# Altium PCB PCB3.PcbDoc (part 7 of 8)
Units mil, origin at the board's own origin, x right, y up, seen from the top; angles counter-clockwise.
Board outline 4763.78 x 6574.87 mil, 6 copper layers (Top Layer, GND, ADDR, DATA, VCC, Bottom Layer), stack 77.691 mil thick; 402 components, 418 nets, 1809 pads, 1202 vias.
Unrouted connection lines stored in the file: 117.
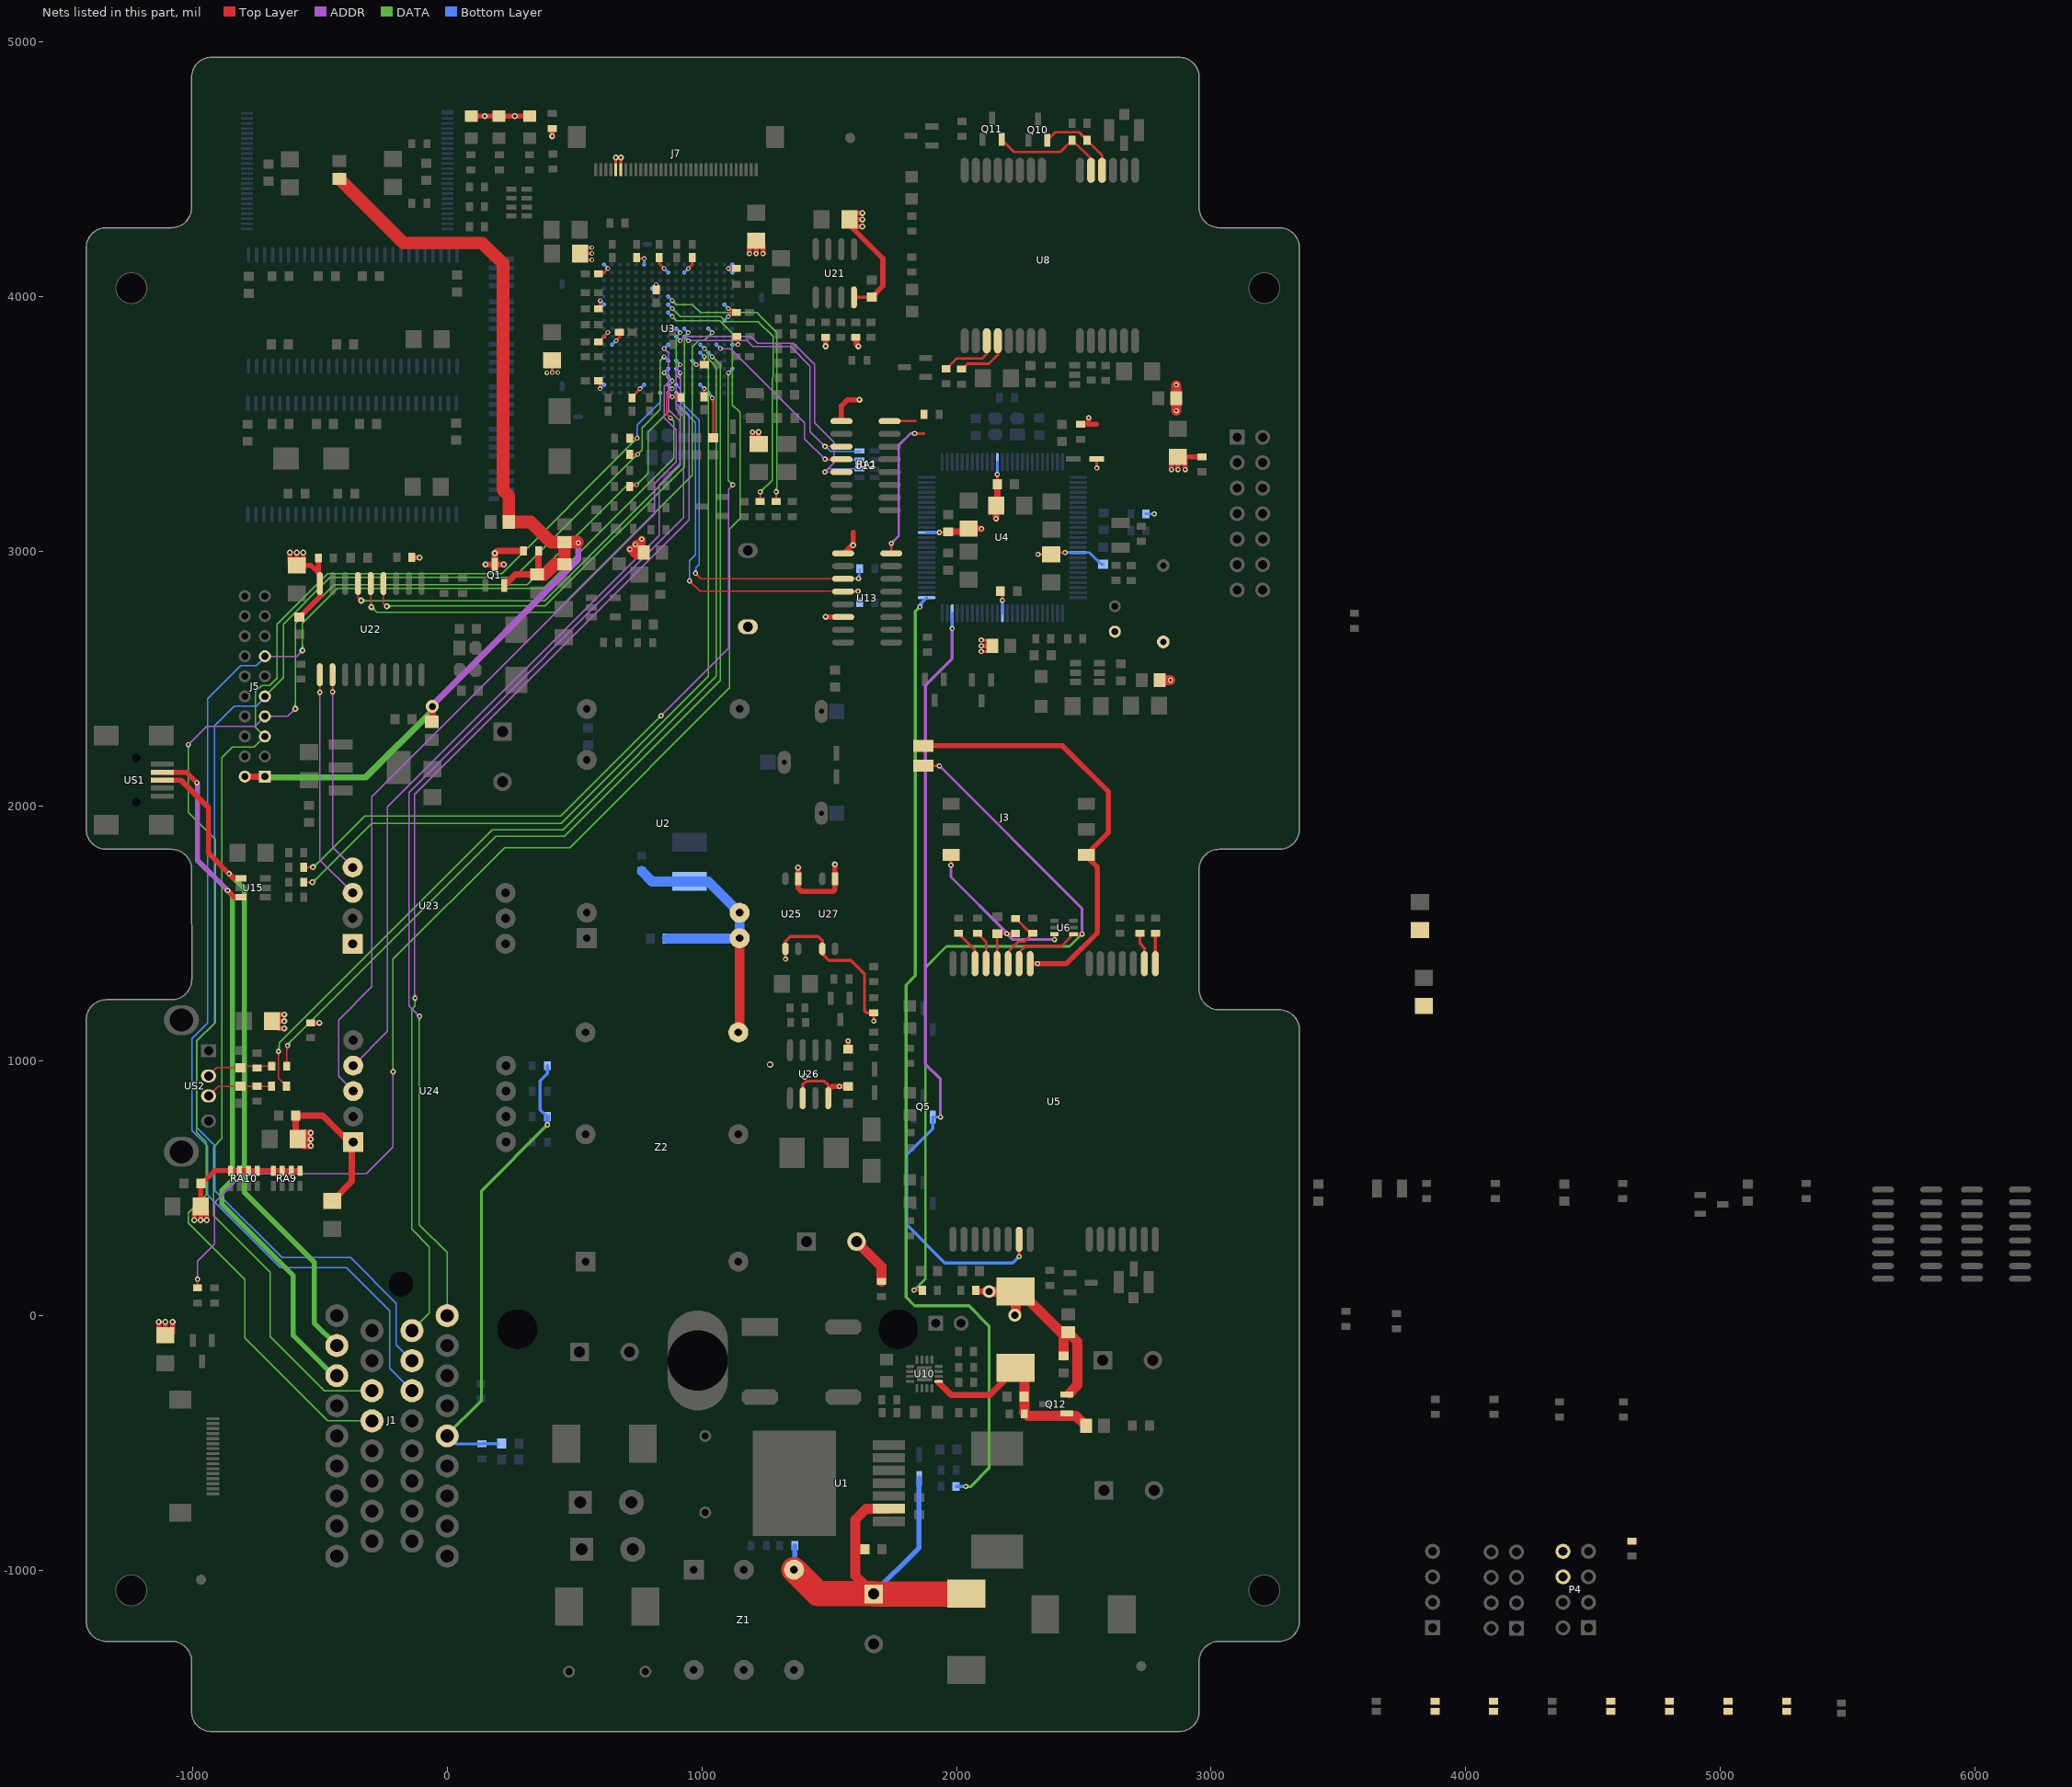
[diagram p11: the nets of this part, all layers, seen from the top]

## Via types
v1: diameter 18, hole 10, Top Layer to Bottom Layer, tented both sides, 404 vias
v2: diameter 20, hole 10, Top Layer to Bottom Layer, tented both sides, 379 vias
v3: diameter 25, hole 15, Top Layer to Bottom Layer, tented both sides, 363 vias
v4: diameter 23.62, hole 11.81, Top Layer to Bottom Layer, tented both sides, 51 vias
v5: diameter 50, hole 28, Top Layer to Bottom Layer, tented both sides, 4 vias
v6: diameter 30, hole 15, Top Layer to Bottom Layer, tented both sides, 1 vias

## Nets (pads, with @x,y where several pads share a name; then routed paths per layer and width w, separated by ;. In a path a pad name is that pad's centre, name@x,y a point inside that pad or via, vN(x,y) a via of type N, cw(c..) or ccw(c..) an arc to the next point about the centre after c; other vN are vias at no path point) (continued)
RS_P: C89.1 J1.30 R99.1 R101.1 R102.1 | length 1851.1
  DATA w12: J1.30@-4.92,-473.43 134.84,-333.66 134.84,490.16 v2(393.7,749.02)
  Bottom Layer w12: J1.30@1.97,-471.46 34.45,-503.94 137.8,-503.94 138.78,-502.95 196.85,-502.95 ; R102.1@391.73,781.5 365.16,808.07 365.16,921.26 393.7,949.8 R99.1@393.7,981.3
  Bottom Layer w20: v2(393.7,749.02) R102.1@393.7,781.17
RXCAN: U22.2 U23.4 | length 846.2
  Top Layer w5: v2@-455.53,2454.69 ccw(c-468.33,2467.49) -450.22,2467.49 ccw(c-432.12,2467.49) v2@-444.92,2454.69 ; v2(-450.22,2449.38) U22.2@-450.22,2516.18
  ADDR w5: v2@-455.53,2444.08 cw(c-468.33,2431.28) -450.22,2431.28 cw(c-432.12,2431.28) v2@-444.92,2444.08 ; v2(-450.22,2449.38) -450.22,1839.02 U23.4@-370.89,1759.69
RXD0: J1.25 U3.K14 | length 4425.1
  ADDR w5: v2@-130.98,1252.05 ccw(c-138.3,1259.37) -127.95,1259.37 ; v2@-127.95,1249.02 -127.95,2046.72 949.78,3124.45 949.78,3535.87 915.33,3570.32 v1(915.33,3702.21) ; -127.95,1258.26 ccw(c-114.16,1258.26) v2@-123.91,1248.51 ; -127.95,1270.33 ccw(c-102.09,1270.33) v2@-120.38,1252.05 ; v1@910.73,3697.61 cw(c899.64,3686.51) 915.33,3686.51 cw(c931.02,3686.51) v1@919.93,3697.61
  DATA w5: J1.25@-137.8,-59.06 -69.88,8.86 -69.88,269.91 -139.76,339.79 -139.76,1201.77 -125.68,1215.85 v2(-125.68,1246.74) v2@-127.95,1249.02 ; v2@-130.98,1241.44 cw(c-143.79,1228.64) -125.68,1228.64 cw(c-107.57,1228.64) v2@-120.38,1241.44
  Bottom Layer w5: U3.K14@899.58,3717.95 v1(915.33,3702.21) ; v1@908.83,3702.21 ccw(c893.14,3702.21) 904.23,3713.3 ccw(c915.33,3724.4) v1@915.33,3708.71
RXD1: R25.2 U3.K17 U13.4 | length 1619.4
  Top Layer w5: v2@951.77,2877.34 cw(c951.77,2859.24) 964.57,2872.04 cw(c977.38,2884.84) v2@959.27,2884.84 ; v2(951.77,2884.84) 992.72,2843.9 1555.12,2843.9 v2(1613.58,2843.9) ; v2@1608.28,2838.59 ccw(c1595.48,2825.79) 1595.48,2843.9 ccw(c1595.48,2862) v2@1608.28,2849.2
  Bottom Layer w5: U3.K17@899.58,3623.47 899.58,3580.42 975,3505 975,2987.8 951.77,2964.57 v2(951.77,2884.84) ; v2@946.47,2890.15 ccw(c933.67,2902.95) 951.77,2902.95 ccw(c969.88,2902.95) v2@957.08,2890.15 ; v2@1608.28,2838.59 cw(c1595.48,2825.79) 1613.58,2825.79 cw(c1631.69,2825.79) v2@1618.89,2838.59 ; v2(1613.58,2843.9) 1613.58,2805.71 R25.2@1620.08,2799.21
RXD2: U3.J15 U24.4 | length 3284.3
  ADDR w5: U24.4@-368.92,981.34 -234.48,1115.78 -234.48,1997.28 831.69,3063.45 ; 831.69,3062.99 831.69,3063.45 ; v1(883.83,3670.71) 883.83,3661.85 868.33,3646.35 868.33,3558.51 914.34,3512.49 914.34,3344.46 831.69,3261.81 831.69,3063.45
  Bottom Layer w10: U3.J15@868.08,3686.46 v1(883.83,3670.71) ; v1@879.83,3670.71 ccw(c870.18,3670.71) 877,3677.54 ccw(c883.83,3684.37) v1@883.83,3674.71
RXDG: R42.1 U8.4 | length 221.1
  Top Layer w10: R42.1@2019.69,3716.54 2023.62,3716.54 2044.29,3737.2 2126.97,3737.2 2162.36,3772.6 U8.4@2162.36,3827.76
RXDM: R28.1 U5.2 | length 126.4
  Top Layer w12: R28.1@2720.47,1500.98 2720.47,1460.63 2738.19,1442.91 U5.2@2738.19,1381.89
SGND0: C7.2 C91.2 C92.2 CM1.2 CV6.2 R8.1 R109.1 R112.2 U2.2 U2.3 U25.3 U26.2 U26.4 U27.3 Z2.6 | length 2436.7
  Top Layer w12: v2(1328.35,1399.21) U25.3@1328.35,1439.96 1328.35,1470.08 1346.46,1488.19 1456.69,1488.19 1473.03,1471.85 U27.3@1473.03,1439.96 1473.03,1419.69 1498.03,1394.69 1585.63,1394.69 1638.78,1341.54 1638.78,1196.85 1646.65,1188.98 R112.2@1675.2,1188.98 v2(1675.2,1156.5) ; U26.2@1396.26,853.35 1396.26,906.1 1410.43,920.28 1481.3,920.28 1496.26,905.32 U26.4@1496.26,853.35
  Top Layer w20: U26.4@1497.05,885.83 1510.83,899.61 v2(1540.35,899.61) C92.2@1574.8,899.61 ; C91.2@1574.8,1046.26 v2(1574.8,1078.74)
  Top Layer w39.37: Z2.6@1143.46,1111.85 1148.46,1116.85 U2.2@1148.46,1481.85 ; CV6.2@1607.28,290.35 1705.71,191.93 R109.1@1705.71,133.86
  Bottom Layer w39.37: R8.1@763.78,1746.06 805.12,1704.72 CM1.2@951.77,1704.72 1025.59,1704.72 U2.3@1148.46,1581.85 U2.2@1148.46,1481.85 1146.93,1480.32 C7.2@864.17,1480.32
  other v3: 1404.44,938.27 1268,986
SIM_CLK: R36.1 U5.12 | length 133
  Top Layer w10: R36.1@2082.68,1500.98 2116.14,1467.52 U5.12@2116.14,1381.89
SIM_DATA: R33.2 R35.1 U5.10 | length 263.9
  Top Layer w10: U5.10@2202.76,1381.89 2202.76,1428.15 2243.11,1468.5 2266.73,1468.5 R35.1@2299.21,1500.98 2290.36,1500.98 R33.2@2232.28,1559.06
SIM_GND: J3.5 J3.8 U5.8 | length 1716.9
  Top Layer w20: J3.8@1870.08,2237.4 2416.14,2237.4 2597.44,2056.1 2597.44,1896.65 J3.5@2509.84,1809.06 ; U5.8@2289.37,1381.89 v2(2318.9,1381.89) 2432.09,1381.89 2554.13,1503.94 2554.13,1759.84 J3.5@2511.81,1802.17
SIM_PRE: J3.4 R34.2 U5.9 U6.1 | length 3397.6
  Top Layer w10: v2(1833.66,99.41) R34.2@1866.14,99.41 ; v2@1837.2,95.87 cw(c1845.73,87.34) 1845.73,99.41 cw(c1845.73,111.48) v2@1837.2,102.94 ; J3.4@1870.08,2158.66 v2(1932.87,2158.66) ; v2@1929.34,2155.13 ccw(c1920.8,2146.59) 1920.8,2158.66 ccw(c1920.8,2170.73) v2@1929.34,2162.2 ; U5.9@2246.06,1381.89 2246.06,1426.18 2271.65,1451.77 2413.39,1451.77 U6.1@2459.65,1498.03 v2(2493.11,1498.03) ; v2@2489.57,1494.5 ccw(c2481.04,1485.96) 2481.04,1498.03 ccw(c2481.04,1510.1) v2@2489.57,1501.57
  ADDR w10: v2@1932.87,2153.66 cw(c1932.87,2141.59) 1941.41,2150.13 cw(c1949.95,2158.66) v2@1937.87,2158.66 ; v2(1932.87,2158.66) 2493.11,1598.43 v2(2493.11,1498.03) ; v2@2489.57,1501.57 ccw(c2481.04,1510.1) 2493.11,1510.1 ccw(c2505.18,1510.1) v2@2496.65,1501.57
  DATA w10: v2(1833.66,99.41) 1877.95,143.7 1877.95,1367.13 1960.63,1449.8 2443.9,1449.8 v2@2493.11,1499.02 ; v2@1833.66,104.41 ccw(c1833.66,116.48) 1842.2,107.94 ccw(c1850.73,99.41) v2@1838.66,99.41 ; 2482.89,1488.8 cw(c2493.11,1478.58) v2@2493.11,1493.03 ; 2485.27,1491.18 ccw(c2478.42,1498.03) v2@2488.11,1498.03
SIM_RST: R37.1 U5.13 | length 146
  Top Layer w10: R37.1@2007.87,1500.98 2072.83,1436.02 U5.13@2072.83,1381.89
SIM_VDD: C53.1 J3.1 R33.1 U5.11 U6.6 | length 887.9
  Top Layer w10: v2@1974.81,1772.24 ccw(c1966.28,1780.77) 1978.35,1780.77 ccw(c1990.42,1780.77) v2@1981.88,1772.24 ; v2(1978.35,1768.7) J3.1@1978.35,1809.06 ; U5.11@2159.45,1381.89 2159.45,1498.03 C53.1@2160.43,1499.02 2161.42,1500 R33.1@2232.28,1500 ; 2183.39,1500 cw(c2183.39,1484.57) v2@2194.3,1495.48 ; v2@2201.37,1495.48 cw(c2212.28,1484.57) 2212.28,1500
  Top Layer w12: v2(2384.84,1476.38) U6.6@2384.84,1498.03
  ADDR w10: v2@1974.81,1765.17 cw(c1966.28,1756.63) 1978.35,1756.63 cw(c1990.42,1756.63) v2@1981.88,1765.17 ; v2(1978.35,1768.7) 1978.35,1722.44 2197.83,1502.95 v2(2197.83,1499.02) ; 2186.52,1514.27 cw(c2171.26,1499.02) v2@2192.83,1499.02
  ADDR w12: v2(2197.83,1499.02) 2220.47,1476.38 v2(2384.84,1476.38)
SPICLK1/GPG7: RA1.8 U3.L10 U12.3 | length 1231.8
  Top Layer w5: v2(1483.46,3412.6) U12.3@1548.23,3412.6 ; v2@1488.77,3407.3 cw(c1501.57,3394.49) 1501.57,3412.6 cw(c1501.57,3430.71) v2@1488.77,3417.9
  ADDR w5: v1(946.82,3828.19) 1177.78,3828.19 1200.86,3805.12 1348.43,3805.12 1425.2,3728.35 1425.2,3470.87 v2(1483.46,3412.6) ; v1@951.42,3823.59 cw(c962.52,3812.5) 962.52,3828.19 cw(c962.52,3843.88) v1@951.42,3832.79 ; v2@1475.96,3412.6 ccw(c1457.86,3412.6) 1470.66,3425.4 ccw(c1483.46,3438.21) v2@1483.46,3420.1
  Bottom Layer w5: v2@1483.46,3405.1 cw(c1483.46,3376.06) 1504,3396.59 ; v2@1483.46,3410.1 cw(c1483.46,3393.13) 1495.46,3405.13 ; v2@1486.22,3414.37 1506.56,3394.04 RA1.8@1624.53,3394.04 ; v2@1490.96,3412.6 ccw(c1498.14,3412.6) 1493.07,3407.52
  Bottom Layer w10: U3.L10@931.08,3843.94 v1(946.82,3828.19) ; v1@942.82,3828.19 ccw(c933.17,3828.19) 940,3835.02 ccw(c946.82,3841.85) v1@946.82,3832.19
SPICLK/GPE13: U3.L9 U22.13 | length 2157
  Top Layer w5: U22.13@-250.22,2874.45 -250.22,2797.88 ; v4@-246.43,2786.3 ccw(c-259.75,2788.35) -250.22,2797.87 ; v4@-238.65,2794.09 cw(c-240.7,2807.4) -250.22,2797.87 ; v4(-237.23,2784.88) -250.22,2797.88
  DATA w5: v4@-235.26,2786.85 385.28,2786.85 931.08,3332.65 931.08,3843.94 v1(946.82,3859.69) ; v4@-234.18,2781.83 cw(c-222.07,2769.72) -222.07,2786.85 ; v4@-230.65,2778.3 cw(c-210,2757.65) -210,2786.85 ; v4@-230.65,2791.47 ccw(c-219.5,2802.61) -219.5,2786.85 ; v1@940.32,3859.69 cw(c924.63,3859.69) 935.73,3848.59 cw(c946.82,3837.49) v1@946.82,3853.19
  Bottom Layer w10: U3.L9@931.08,3875.43 v1(946.82,3859.69) ; v1@942.82,3859.69 ccw(c933.17,3859.69) 940,3866.51 ccw(c946.82,3873.34) v1@946.82,3863.69
SPIMISO/GPE11: U3.K9 U22.15 | length 2213.7
  Top Layer w5: U22.15@-350.22,2874.45 -350.22,2820.12 ; v4@-346.79,2809.17 ccw(c-358.98,2811.36) -350.22,2820.12 ; v4@-339.27,2816.69 cw(c-341.46,2828.88) -350.22,2820.12 ; v4(-337.62,2807.52) -350.22,2820.12
  DATA w5: v4(-337.62,2807.52) -338.61,2806.54 382.32,2806.54 915.33,3339.54 915.33,3678.58 899.33,3694.58 899.33,3843.69 v1(915.33,3859.69) ; v4@-334.58,2810.57 ccw(c-324.84,2820.3) -324.84,2806.54 ; v4@-331.04,2800.94 cw(c-317.52,2787.42) -317.52,2806.54 ; v4@-331.04,2814.1 ccw(c-312.77,2832.38) -312.77,2806.54 ; v1@908.83,3859.69 cw(c893.14,3859.69) 904.23,3848.59 cw(c915.33,3837.49) v1@915.33,3853.19
  Bottom Layer w10: U3.K9@899.58,3875.43 v1(915.33,3859.69) ; v1@911.33,3859.69 ccw(c901.67,3859.69) 908.5,3866.51 ccw(c915.33,3873.34) v1@915.33,3863.69
SPIMOSI/GPE12: U3.P9 U22.14 | length 2335
  Top Layer w5: v4@-303.85,2788.51 ccw(c-312.62,2797.28) -300.22,2797.28 ; v4@-300.22,2784.88 U22.14@-300.22,2874.45 ; -300.22,2799.47 ccw(c-279.73,2799.47) v4@-294.22,2784.98 ; -300.22,2811.54 ccw(c-267.66,2811.54) v4@-290.69,2788.51
  DATA w5: v4@-297.27,2772.62 cw(c-297.27,2750.14) -281.37,2766.04 cw(c-265.48,2781.93) v4@-287.96,2781.93 ; v4(-297.27,2781.93) -276.6,2761.26 423.66,2761.26 962.32,3299.92 962.32,3802.62 988.45,3828.74 1010.37,3828.74 v1(1041.31,3859.69) ; v1@1034.81,3859.69 cw(c1019.12,3859.69) 1030.22,3848.59 cw(c1041.31,3837.49) v1@1041.31,3853.19
  Bottom Layer w10: U3.P9@1025.57,3875.43 v1(1041.31,3859.69) ; v1@1037.31,3859.69 ccw(c1027.66,3859.69) 1034.49,3866.51 ccw(c1041.31,3873.34) v1@1041.31,3863.69
SPISI1/GPG6: RA1.7 U3.R11 U12.4 | length 987.3
  Top Layer w5: v2(1483.66,3362.6) U12.4@1548.23,3362.6 ; v2@1488.96,3357.3 cw(c1501.77,3344.49) 1501.77,3362.6 cw(c1501.77,3380.71) v2@1488.96,3367.9
  ADDR w5: v1(1072.81,3796.69) 1111.77,3796.69 1403.52,3504.95 1403.52,3442.91 ; v1@1077.41,3792.1 cw(c1088.5,3781) 1088.5,3796.69 cw(c1088.5,3812.39) v1@1077.41,3801.29 ; 1403.54,3442.72 v2(1483.66,3362.6) ; v2@1476.16,3362.6 ccw(c1458.05,3362.6) 1470.86,3375.4 ccw(c1483.66,3388.21) v2@1483.66,3370.1
  Bottom Layer w5: v2@1485.43,3364.37 ccw(c1498.3,3377.24) 1498.3,3359.04 ; v2@1488.96,3357.3 cw(c1493.17,3353.09) 1493.17,3359.04 ; v2@1488.96,3367.9 ccw(c1510.37,3389.31) 1510.37,3359.04 ; v2@1490.37,3359.04 RA1.7@1624.53,3359.04
  Bottom Layer w10: U3.R11@1057.06,3812.44 v1(1072.81,3796.69) ; v1@1068.81,3796.69 ccw(c1059.15,3796.69) 1065.98,3803.52 ccw(c1072.81,3810.35) v1@1072.81,3800.69
SPISO1/GPG5: RA1.6 U3.K10 U12.5 | length 1413.4
  Top Layer w5: v2(1482.87,3312.6) U12.5@1548.23,3312.6 ; v2@1488.18,3307.3 cw(c1500.98,3294.49) 1500.98,3312.6 cw(c1500.98,3330.71) v2@1488.18,3317.9
  ADDR w5: v1(915.33,3828.19) 931.32,3844.19 1192.23,3844.19 1218.27,3818.15 1359.02,3818.15 1442.91,3734.25 1442.91,3505.91 1518.7,3430.12 1518.7,3348.43 v2(1482.87,3312.6) ; v1@915.33,3834.69 ccw(c915.33,3850.38) 926.43,3839.29 ccw(c937.52,3828.19) v1@921.83,3828.19 ; v2@1482.87,3320.1 ccw(c1482.87,3338.21) 1495.68,3325.4 ccw(c1508.48,3312.6) v2@1490.37,3312.6
  Bottom Layer w5: v2@1480.32,3309.06 1484.04,3309.06 1499.02,3324.04 ; v2@1483.44,3315.03 ccw(c1485.67,3324.64) 1492.65,3317.67 ; v2@1484.57,3319.9 ccw(c1488.07,3334.98) 1499.02,3324.03 ; v2@1490.37,3312.6 cw(c1497.12,3312.6) 1492.35,3317.37 ; RA1.6@1624.53,3324.04 1499.02,3324.04
  Bottom Layer w10: U3.K10@899.58,3843.94 v1(915.33,3828.19) ; v1@911.33,3828.19 ccw(c901.67,3828.19) 908.5,3835.02 ccw(c915.33,3841.85) v1@915.33,3832.19
STATUS: Q5.1 U4.48 U5.22 | length 3119.7
  Top Layer w12: v2(2246.06,231.3) U5.22@2246.06,299.21
  ADDR w12: v2(1937.01,779.53) 1937.01,928.15 1877.95,987.2 1877.95,2474.41 1983.27,2579.72 v2@1983.27,2692.91
  Bottom Layer w12: Q5.1@1907.48,779.53 Q5.1@1907.48,776.57 ; v2(1937.01,779.53) 1910.43,779.53 Q5.1@1907.48,776.57 ; v2(1983.27,2697.83) U4.48@1983.27,2757.87 ; v2(2246.06,231.3) 2221.46,206.69 1954.72,206.69 1804.13,357.28 1804.13,630 1907.48,733.34 Q5.1@1907.48,776.57
SYSON: R1.1 U4.51 | length 3908.6
  DATA w12: v2(1856.3,2782.48) 1838.58,2764.76 1838.58,1334.65 1801.85,1297.91 1801.85,72.17 1835.63,38.39 2049.21,38.39 2127.95,-40.35 2127.95,-599.41 2055.12,-672.24 v2@2036.42,-672.24 ; v2@2039.25,-668.43 ccw(c2048.45,-659.23) 2048.45,-672.24
  Bottom Layer w12: v2(1856.3,2782.48) 1856.3,2792.32 U4.51@1882.87,2818.9 ; v2@1860.3,2782.48 cw(c1893.72,2782.48) 1870.09,2806.11 ; R1.1@1998.03,-671.26 v2(2036.42,-671.26)
TCK: J1.24 J5.9 R81.2 U3.J13 | length 5851.6
  Top Layer w5: R81.2@716.51,3382 v1(748.33,3382) ; v1@743.74,3377.4 ccw(c732.64,3366.3) 732.64,3382 ccw(c732.64,3397.69) v1@743.74,3386.59
  DATA w5: J5.9@-715.88,2431.46 -642.74,2504.6 -642.74,2715 -459.67,2898.07 264.41,2898.07 v1(748.33,3382) 765.72,3399.38 765.72,3486.26 836.59,3557.13 836.59,3749.45 v1(852.34,3765.2) ; v1@741.83,3382 cw(c726.14,3382) 737.24,3370.9 cw(c748.33,3359.8) v1@748.33,3375.5 ; v1@748.33,3388.5 ccw(c748.33,3404.19) 759.43,3393.09 ccw(c770.53,3382) v1@754.83,3382 ; v1@845.84,3765.2 cw(c830.14,3765.2) 841.24,3754.1 cw(c852.34,3743.01) v1@852.34,3758.7
  Bottom Layer w5: J5.9@-713.58,2429.13 -749.72,2393 -836.33,2393 -913.39,2315.94 -913.39,1147.64 -983.27,1077.76 -983.27,738.27 -911.42,666.42 -911.42,490.24 -648.54,227.36 -379.92,227.36 -200.79,48.23 -200.79,-114.17 J1.24@-137.8,-177.17
  Bottom Layer w10: v1@852.34,3761.2 cw(c852.34,3751.54) 859.17,3758.37 cw(c865.99,3765.2) v1@856.34,3765.2 ; v1(852.34,3765.2) U3.J13@868.08,3749.45
TDI: J1.15 J5.5 R83.2 U3.H17 | length 5608.8
  Top Layer w5: R83.2@716.51,3445.32 v1(746.04,3445.32) ; v1@741.44,3440.72 ccw(c730.35,3429.62) 730.35,3445.32 ccw(c730.35,3461.01) v1@741.44,3449.91
  DATA w5: J1.15@-295.28,-295.28 -482.72,-295.28 -696,-82 -696,170.48 -917,391.48 -917,662 -884,695 -884,1659.27 -884.7,1659.97 -884.7,2190.1 -842.52,2232.28 -757.58,2232.28 J5.5@-715.88,2273.98 -751.99,2310.09 -751.99,2450.24 -728.37,2473.86 -696.88,2473.86 -667.35,2503.39 -667.35,2715 -468.96,2913.39 214.11,2913.39 v1(746.04,3445.32) ; v1@739.54,3445.32 cw(c723.85,3445.32) 734.94,3434.22 cw(c746.04,3423.12) v1@746.04,3438.82
  Bottom Layer w5: v1@741.44,3449.91 ccw(c730.35,3461.01) 746.04,3461.01 ccw(c761.73,3461.01) v1@750.63,3449.91 ; v1@746.04,3451.22 746.04,3496.5 836.59,3587.05 U3.H17@836.59,3623.47
TDO: J1.23 J5.13 U3.J16 | length 6015.8
  Top Layer w5: v1@870.44,3525.04 ccw(c854.75,3525.04) 865.85,3536.14 ccw(c876.94,3547.23) v1@876.94,3531.54 ; v1(876.94,3525.04) 861.2,3540.79 861.2,3616.58 v1(883.83,3639.21) ; v1@877.33,3639.21 cw(c861.64,3639.21) 872.74,3628.12 cw(c883.83,3617.02) v1@883.83,3632.71
  ADDR w5: J5.13@-715.88,2588.94 -590.66,2588.94 v4(-567.94,2611.65) ; v4@-577.25,2611.65 cw(c-599.73,2611.65) -583.83,2595.76 cw(c-567.94,2579.87) v4@-567.94,2602.34
  DATA w5: v4@-574.52,2618.24 ccw(c-590.42,2634.13) -567.94,2634.13 ccw(c-545.46,2634.13) v4@-561.35,2618.24 ; v4(-567.94,2611.65) -567.94,2718.94 -432.11,2854.76 378.91,2854.76 890.72,3366.58 890.72,3511.26 v1(876.94,3525.04) ; v1@876.94,3518.54 cw(c876.94,3502.85) 888.04,3513.94 cw(c899.14,3525.04) v1@883.44,3525.04
  Bottom Layer w5: -811.02,2551.18 -939.96,2422.24 -939.96,1149.04 -1002,1087 -1002,727 -939.96,664.96 -939.96,472.96 -654.99,187.99 -395.67,187.99 -226.38,18.7 -226.38,-206.69 J1.23@-137.8,-295.28 ; -811.02,2552.17 -750,2552.17 J5.13@-713.58,2588.58
  Bottom Layer w10: U3.J16@868.08,3654.96 v1(883.83,3639.21) ; v1@879.83,3639.21 ccw(c870.18,3639.21) 877,3646.04 ccw(c883.83,3652.87) v1@883.83,3643.21
TMS: J1.14 J5.7 R82.2 U3.J14 | length 6331
  Top Layer w5: R82.2@726.8,3255.36 ccw(c726.8,3275.82) v1@742.89,3263.17 ; 737.09,3255.36 ccw(c737.09,3267.73) v1@746.82,3260.08 ; v1@738.06,3259.77 cw(c734.31,3258.22) 737.18,3255.36 ; v1@738.96,3266.26 cw(c716.51,3283.91) R82.2@716.51,3255.36 737.18,3255.36 ; v1@741.59,3256.24 ccw(c740.05,3252.49) 737.18,3255.36 ; v1(744.07,3262.25) 737.18,3255.36
  ADDR w5: v2(-1016.73,2242.13) -944.88,2313.98 -754.62,2313.98 J5.7@-715.88,2352.72 -626.09,2352.72 v4(-596.48,2382.32) ; v4@-605.79,2382.32 cw(c-628.27,2382.32) -612.38,2366.43 cw(c-596.48,2350.53) v4@-596.48,2373.01
  DATA w5: v2(-1016.73,2242.13) -1016.73,1976.83 -910,1870.1 -910,1151.02 -983.27,1077.76 -983.27,718.31 -945.87,680.9 -945.87,474.13 -1017.42,402.58 -1017.42,363.95 -794.48,141 -794.48,-88.22 -470.59,-412.11 ; v4@-603.07,2388.91 ccw(c-618.96,2404.8) -596.48,2404.8 ccw(c-574,2404.8) v4@-589.9,2388.91 ; v4(-596.48,2382.32) -596.48,2717.95 -444.91,2869.53 314.41,2869.53 707.13,3262.25 v1(744.07,3262.25) 789.34,3307.52 789.34,3469.92 868.08,3548.66 868.08,3686.46 v1(852.34,3702.21) ; -470.59,-413.39 J1.14@-295.28,-413.39 ; v1@739.47,3257.65 ccw(c728.38,3246.55) 728.38,3262.25 ccw(c728.38,3277.94) v1@739.47,3266.84 ; v1@744.07,3268.75 ccw(c744.07,3284.44) 755.17,3273.34 ccw(c766.26,3262.25) v1@750.57,3262.25 ; v1@852.34,3695.71 cw(c852.34,3680.01) 863.43,3691.11 cw(c874.53,3702.21) v1@858.84,3702.21
  Bottom Layer w10: v1(852.34,3702.21) U3.J14@868.08,3717.95 ; v1@852.34,3706.21 ccw(c852.34,3715.86) 859.17,3709.03 ccw(c865.99,3702.21) v1@856.34,3702.21
TOUT0/GPB0: R77.1 U3.J6 | length 1229.8
  Top Layer w5: v2@1224,3228.92 cw(c1211.2,3216.12) 1229.31,3216.12 cw(c1247.41,3216.12) v2@1234.61,3228.92 ; R77.1@1229.31,3196.3 v2(1229.31,3234.23)